# KiCad board OpenRX-all.kicad_pcb
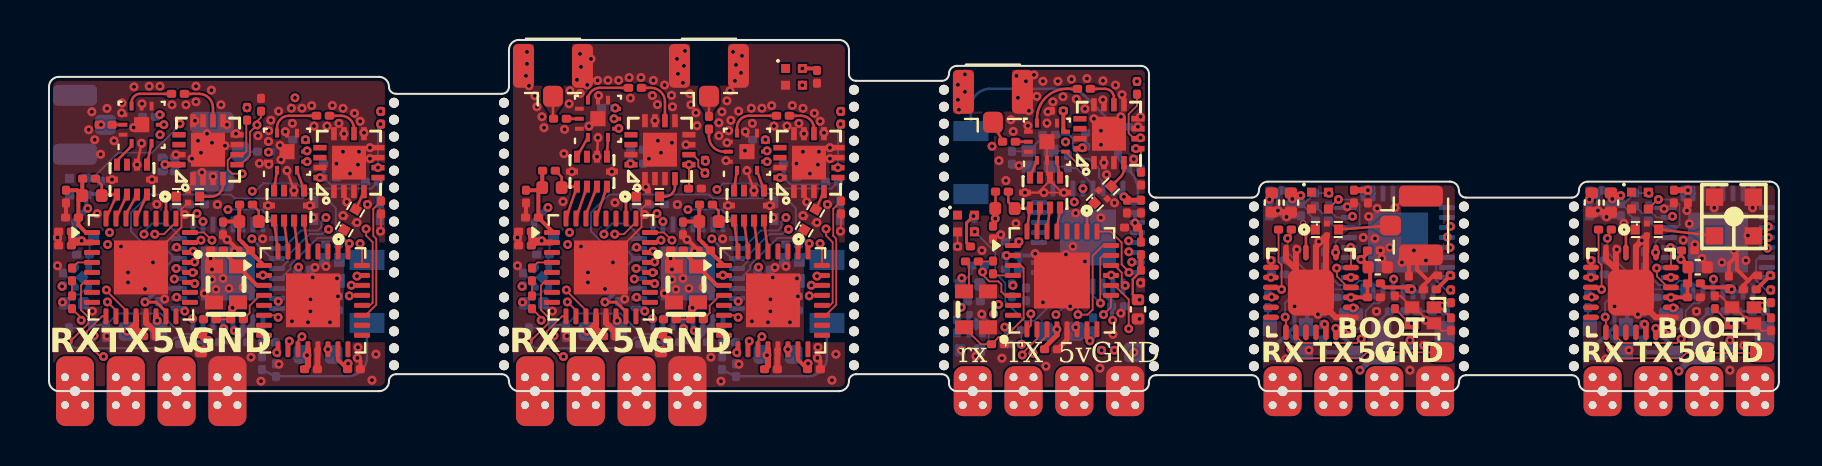
[diagram p0: board, top side]
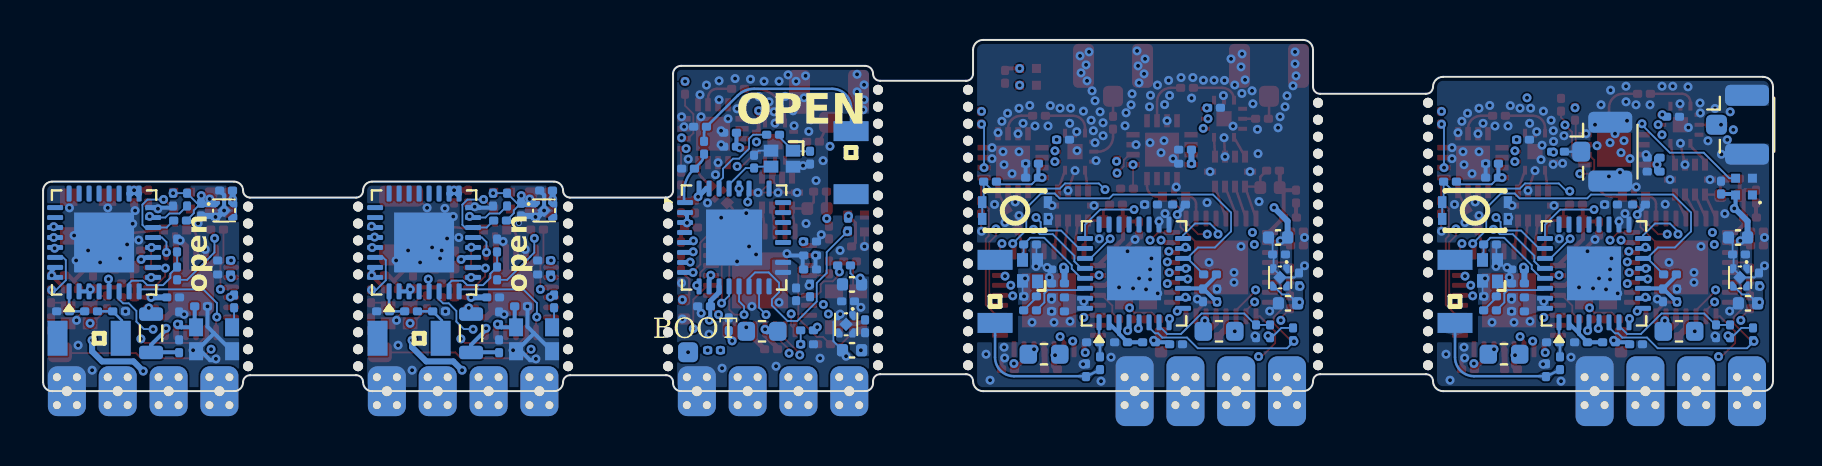
[diagram p1: board, bottom side, seen from below]

Outline 86.5 x 17.6 mm; copper layers: Top, In1.Cu, In2.Cu, In3.Cu, In4.Cu, Bottom. Coordinates in mm from the lower left corner of the outline.
Outline path: 0,15.25 arc(0.15,15.6) 0.5,15.75 16.5,15.75 arc(16.85,15.6) 17,15.25 arc(17.1,15) 17.35,14.9 22.65,14.9 arc(22.9,15) 23,15.25 23,17.1 arc(23.15,17.45) 23.5,17.6 39.5,17.6 arc(39.85,17.45) 40,17.1 40,15.9 arc(40.1,15.65) 40.35,15.55 44.65,15.55 arc(44.9,15.65) 45,15.9 arc(45.12,16.18) 45.4,16.3 54.6,16.3 arc(54.88,16.18) 55,15.9 55,10.05 arc(55.1,9.8) 55.35,9.7 60.15,9.7 arc(60.4,9.8) 60.5,10.05 arc(60.63,10.37) 60.95,10.5 70.05,10.5 arc(70.37,10.37) 70.5,10.05 arc(70.6,9.8) 70.85,9.7 76.15,9.7 arc(76.4,9.8) 76.5,10.05 arc(76.63,10.37) 76.95,10.5 86.05,10.5 arc(86.37,10.37) 86.5,10.05 86.5,0.45 arc(86.37,0.13) 86.05,0 76.95,0 arc(76.63,0.13) 76.5,0.45 arc(76.4,0.7) 76.15,0.8 70.85,0.8 arc(70.6,0.7) 70.5,0.45 arc(70.37,0.13) 70.05,0 60.95,0 arc(60.63,0.13) 60.5,0.45 arc(60.4,0.7) 60.15,0.8 55.35,0.8 arc(55.1,0.7) 55,0.45 55,0.4 arc(54.88,0.12) 54.6,0 45.4,0 arc(45.12,0.12) 45,0.4 45,0.5 arc(44.9,0.75) 44.65,0.85 40.35,0.85 arc(40.1,0.75) 40,0.5 arc(39.85,0.15) 39.5,0 23.5,0 arc(23.15,0.15) 23,0.5 arc(22.9,0.75) 22.65,0.85 17.35,0.85 arc(17.1,0.75) 17,0.5 arc(16.85,0.15) 16.5,0 0.5,0 arc(0.15,0.15) 0,0.5 0,15.25
Stack: Top 0.035mm / dielectric 0.1mm FR4 er 4.5 / In1.Cu 0.0152mm / dielectric 0.16mm FR4 er 4.5 / In2.Cu 0.0152mm / dielectric 0.3292mm FR4 er 4.5 / In3.Cu 0.0152mm / dielectric 0.16mm FR4 er 4.5 / In4.Cu 0.0152mm / dielectric 0.1mm FR4 er 4.5 / Bottom 0.035mm

## Placement (name value [footprint] x y rotation side)
AE1  2450AT18A100E  [ANT-SMD_L3.2-W1.6]  15.9 5 90 bottom
AE2  2450AT18A100E  [ANT-SMD_L3.2-W1.6]  38.9 5 90 bottom
AE3  2450AT18A100E  [ANT-SMD_L3.2-W1.6]  68.2 2.65 0 bottom
AE4  2450AT18A100E  [ANT-SMD_L3.2-W1.6]  84.2 2.65 0 bottom
AE5  47948-0001  [ANT-SMD_47948-0001]  84.25 8.75 0 top
AE6  2450AT18A100E  [ANT-SMD_L3.2-W1.6]  46.1 11.45 270 bottom
C1  15pF  [C_0201_0603Metric]  14.15 4.75 0 bottom
C2  47p  [C_0201_0603Metric]  0.85 9.75 270 top
C3  15pF  [C_0201_0603Metric]  14.15 7.35 180 bottom
C4  1uF  [C_0201_0603Metric]  12.75 4.7 0 bottom
C5  100nF  [C_0201_0603Metric]  5.5 4.8 270 bottom
C6  100nF  [C_0201_0603Metric]  6.7 9.35 180 bottom
C7  10pF  [C_0201_0603Metric]  1.15 4.45 270 top
C8  10uF  [C_0402_1005Metric]  1.25 4.4 0 bottom
C9  100nF  [C_0201_0603Metric]  6.85 2.35 180 bottom
C10  1uF  [C_0201_0603Metric]  0.7 5.6 90 bottom
C11  10uF  [C_0402_1005Metric]  7.6 2.45 270 top
C12  100nF  [C_0201_0603Metric]  2.6 10.2 90 bottom
C13  100nF  [C_0201_0603Metric]  8.4 7.05 0 top
C14  100nF  [C_0201_0603Metric]  0.8 8 180 top
C15  47pF  [C_0201_0603Metric]  0.8 7.3 180 top
C16  100nF  [C_0201_0603Metric]  4.8 4.8 90 bottom
C17  1uF  [C_0201_0603Metric]  1.7 6.85 0 bottom
C18  10uF  [C_0402_1005Metric]  1.75 7.7 0 bottom
C19  2.2nF  [C_0201_0603Metric]  1.15 8.7 180 top
C20  470nF  [C_0201_0603Metric]  5.05 2.75 180 top
C21  220pF  [C_0201_0603Metric]  5.97 11 0 bottom
C22  1n  [C_0201_0603Metric]  5 13.75 180 bottom
C23  47p  [C_0201_0603Metric]  6.45 14.9 180 top
C24  47p  [C_0201_0603Metric]  2.83 13.35 180 top
C25  1uF  [C_0201_0603Metric]  9.6 2.45 0 bottom
C26  10nF  [C_0201_0603Metric]  12.75 4 0 bottom
C27  1uF  [C_0201_0603Metric]  8.1 9.35 0 bottom
C28  1uF  [C_0201_0603Metric]  2.85 3 270 bottom
C29  1.2pF  [C_0201_0603Metric]  11 2.45 0 bottom
C30  1.2pF  [C_0201_0603Metric]  11.35 1.05 90 bottom
C31  1uF  [C_0201_0603Metric]  5.97 11.7 0 bottom
C32  15pF  [C_0201_0603Metric]  37.15 4.75 0 bottom
C33  2.2nF  [C_0201_0603Metric]  9.75 7.05 180 top
C34  10pF  [C_0201_0603Metric]  8.05 3.6 180 top
C35  100nF  [C_0201_0603Metric]  12.75 6.1 0 bottom
C36  47pF  [C_0201_0603Metric]  12.75 5.4 0 bottom
C37  100nF  [C_0201_0603Metric]  15.25 1.1 0 top
C38  470nF  [C_0201_0603Metric]  13.1 1.1 180 top
C39  47p  [C_0201_0603Metric]  8.7 8.15 270 top
C40  220pF  [C_0201_0603Metric]  14.05 10.7 0 bottom
C41  1uF  [C_0201_0603Metric]  14.05 11.4 0 bottom
C42  47p  [C_0201_0603Metric]  13.7 13.8 180 top
C43  1n  [C_0201_0603Metric]  12.5 12.6 180 bottom
C44  47p  [C_0201_0603Metric]  10.75 12 180 bottom
C45  47p  [C_0201_0603Metric]  23.85 9.75 270 top
C46  15pF  [C_0201_0603Metric]  37.15 7.35 180 bottom
C47  1uF  [C_0201_0603Metric]  35.75 4.7 0 bottom
C48  100nF  [C_0201_0603Metric]  28.5 4.8 270 bottom
C49  100nF  [C_0201_0603Metric]  29.7 9.35 180 bottom
C50  10pF  [C_0201_0603Metric]  24.15 4.45 270 top
C51  10uF  [C_0402_1005Metric]  24.25 4.4 0 bottom
C52  100nF  [C_0201_0603Metric]  29.85 2.35 180 bottom
C53  1uF  [C_0201_0603Metric]  23.7 5.6 90 bottom
C54  10uF  [C_0402_1005Metric]  30.6 2.45 270 top
C55  100nF  [C_0201_0603Metric]  38.4 15.75 270 top
C56  100nF  [C_0201_0603Metric]  31.4 7.05 0 top
C57  100nF  [C_0201_0603Metric]  23.8 8 180 top
C58  47pF  [C_0201_0603Metric]  23.8 7.3 180 top
C59  100nF  [C_0201_0603Metric]  27.8 4.8 90 bottom
C60  1uF  [C_0201_0603Metric]  24.7 6.85 0 bottom
C61  10uF  [C_0402_1005Metric]  24.75 7.7 0 bottom
C62  2.2nF  [C_0201_0603Metric]  24.15 8.7 180 top
C63  470nF  [C_0201_0603Metric]  28.05 2.75 180 top
C64  220pF  [C_0201_0603Metric]  29.4 11.4 0 bottom
C65  1n  [C_0201_0603Metric]  27.95 14.2 180 bottom
C66  47p  [C_0201_0603Metric]  29.3 15.2 180 top
C67  47p  [C_0201_0603Metric]  25.55 13.65 180 top
C68  1uF  [C_0201_0603Metric]  32.6 2.45 0 bottom
C69  10nF  [C_0201_0603Metric]  35.75 4 0 bottom
C70  1uF  [C_0201_0603Metric]  31.1 9.35 0 bottom
C71  1uF  [C_0201_0603Metric]  25.85 3 270 bottom
C72  1.2pF  [C_0201_0603Metric]  34 2.45 0 bottom
C73  1.2pF  [C_0201_0603Metric]  34.35 1.05 90 bottom
C74  1uF  [C_0201_0603Metric]  29.4 12.1 0 bottom
C75  2.2nF  [C_0201_0603Metric]  32.75 7.05 180 top
C76  10pF  [C_0201_0603Metric]  31.04 3.6 180 top
C77  100nF  [C_0201_0603Metric]  35.75 6.1 0 bottom
C78  47pF  [C_0201_0603Metric]  35.75 5.4 0 bottom
C79  100nF  [C_0201_0603Metric]  38.25 1.1 0 top
C80  470nF  [C_0201_0603Metric]  36.1 1.1 180 top
C81  47p  [C_0201_0603Metric]  31.7 8.15 270 top
C82  220pF  [C_0201_0603Metric]  37.05 10.7 0 bottom
C83  1uF  [C_0201_0603Metric]  37.05 11.4 0 bottom
C84  47p  [C_0201_0603Metric]  36.7 13.8 180 top
C85  1n  [C_0201_0603Metric]  35.5 12.6 180 bottom
C86  47p  [C_0201_0603Metric]  33 13.45 90 top
C87  15pF  [C_0201_0603Metric]  70.1 3.35 270 top
C88  15pF  [C_0201_0603Metric]  67.3 4.45 90 top
C89  1uF  [C_0201_0603Metric]  69.05 5.1 180 top
C90  100nF  [C_0201_0603Metric]  65.25 9.75 270 top
C91  100nF  [C_0201_0603Metric]  66.25 7.05 0 top
C92  10uF  [C_0402_1005Metric]  61.15 9.45 270 top
C93  100nF  [C_0201_0603Metric]  66.25 4.7 0 top
C94  1uF  [C_0201_0603Metric]  61.35 10.05 0 bottom
C95  10uF  [C_0402_1005Metric]  66.44 6.21 0 top
C96  100nF  [C_0201_0603Metric]  64 9.6 270 bottom
C97  100nF  [C_0201_0603Metric]  62.6 4.25 180 bottom
C98  100nF  [C_0201_0603Metric]  63.7 3.65 90 bottom
C99  1uF  [C_0201_0603Metric]  62.6 9.1 270 bottom
C100  10uF  [C_0402_1005Metric]  62.1 9.45 270 top
C101  100nF  [C_0201_0603Metric]  64 4.7 180 bottom
C102  1nF  [C_0201_0603Metric]  60.95 4.5 90 bottom
C103  470nF  [C_0201_0603Metric]  63.7 2.25 270 bottom
C104  1.2pF  [C_0201_0603Metric]  66.7 4 180 bottom
C105  1.2pF  [C_0201_0603Metric]  69.5 4 0 bottom
C106  1uF  [C_0201_0603Metric]  65.95 9.75 270 top
C107  10nF  [C_0201_0603Metric]  69.75 5.8 180 top
C108  1uF  [C_0201_0603Metric]  68 5.45 90 top
C109  10nF  [C_0201_0603Metric]  61.45 5.85 180 bottom
C110  10nF  [C_0201_0603Metric]  61.45 6.55 0 bottom
C111  1uF  [C_0201_0603Metric]  63.8 7.3 90 bottom
C112  15pF  [C_0201_0603Metric]  86.1 3.35 270 top
C113  15pF  [C_0201_0603Metric]  83.3 4.45 90 top
C114  1uF  [C_0201_0603Metric]  85.05 5.1 180 top
C115  100nF  [C_0201_0603Metric]  81.25 9.75 270 top
C116  100nF  [C_0201_0603Metric]  81.95 7.05 0 top
C117  10uF  [C_0402_1005Metric]  77.15 9.45 270 top
C118  100nF  [C_0201_0603Metric]  82.25 4.7 0 top
C119  1uF  [C_0201_0603Metric]  77.35 10.05 0 bottom
C120  10uF  [C_0402_1005Metric]  82.44 6.21 0 top
C121  100nF  [C_0201_0603Metric]  80 9.6 270 bottom
C122  100nF  [C_0201_0603Metric]  78.6 4.25 180 bottom
C123  100nF  [C_0201_0603Metric]  79.7 3.65 90 bottom
C124  1uF  [C_0201_0603Metric]  78.6 9.1 270 bottom
C125  10uF  [C_0402_1005Metric]  78.1 9.45 270 top
C126  100nF  [C_0201_0603Metric]  80 4.7 180 bottom
C127  1nF  [C_0201_0603Metric]  76.95 4.5 90 bottom
C128  470nF  [C_0201_0603Metric]  79.7 2.25 270 bottom
C129  1.2pF  [C_0201_0603Metric]  82.7 4 180 bottom
C130  1.2pF  [C_0201_0603Metric]  85.5 4 0 bottom
C131  1uF  [C_0201_0603Metric]  81.95 9.75 270 top
C132  10nF  [C_0201_0603Metric]  85.75 5.8 180 top
C133  1uF  [C_0201_0603Metric]  84 5.45 90 top
C134  10nF  [C_0201_0603Metric]  77.45 5.85 180 bottom
C135  10nF  [C_0201_0603Metric]  77.45 6.55 0 bottom
C136  1uF  [C_0201_0603Metric]  79.8 7.3 90 bottom
C137  15pF  [C_0201_0603Metric]  48.15 11.7 270 bottom
C138  47p  [C_0201_0603Metric]  47.2 7.95 270 top
C139  15pF  [C_0201_0603Metric]  50.95 11.5 90 bottom
C140  1uF  [C_0201_0603Metric]  54.6 9.25 270 top
C141  100nF  [C_0201_0603Metric]  53.45 4.25 0 bottom
C142  100nF  [C_0201_0603Metric]  48.85 4.85 270 bottom
C143  10pF  [C_0201_0603Metric]  46.15 6.5 180 top
C144  10uF  [C_0402_1005Metric]  46.05 2.05 0 bottom
C145  100nF  [C_0201_0603Metric]  54.6 5.75 270 top
C146  1uF  [C_0201_0603Metric]  45.4 3.25 90 bottom
C147  10uF  [C_0402_1005Metric]  54.45 4.1 270 top
C148  100nF  [C_0201_0603Metric]  45.75 7.25 180 top
C149  100nF  [C_0201_0603Metric]  47.45 2.35 180 top
C150  100nF  [C_0201_0603Metric]  48.15 6.1 0 bottom
C151  47pF  [C_0201_0603Metric]  48.15 6.8 0 bottom
C152  100nF  [C_0201_0603Metric]  52.21 3.35 90 bottom
C153  1uF  [C_0201_0603Metric]  46.25 4.5 0 bottom
C154  10uF  [C_0402_1005Metric]  46.05 5.35 0 bottom
C155  2.2nF  [C_0201_0603Metric]  48.15 7.5 180 bottom
C156  470nF  [C_0201_0603Metric]  50.1 2.1 180 top
C157  220pF  [C_0201_0603Metric]  52.15 12.25 0 bottom
C158  1n  [C_0201_0603Metric]  50.4 14.05 180 top
C159  47p  [C_0201_0603Metric]  51.75 15.15 180 top
C160  47p  [C_0201_0603Metric]  48 12.5 180 top
C161  1uF  [C_0201_0603Metric]  54.1 8.2 180 top
C162  10nF  [C_0201_0603Metric]  53.9 9.25 270 top
C163  1uF  [C_0201_0603Metric]  48.15 5.05 270 bottom
C164  1uF  [C_0201_0603Metric]  48.3 2.35 180 bottom
C165  1.2pF  [C_0201_0603Metric]  54.25 11.15 0 bottom
C166  1.2pF  [C_0201_0603Metric]  53.65 13.25 0 bottom
C167  1uF  [C_0201_0603Metric]  52.15 12.95 0 bottom
D1  XL-1010RGBC-WS2812B  [LED-SMD_4P-L1.0-W1.0-TL_XL-1010RGBC-WS2812B]  1.45 10.25 0 bottom
D2  XL-1010RGBC-WS2812B  [LED-SMD_4P-L1.0-W1.0-TL_XL-1010RGBC-WS2812B]  37.25 15.75 0 top
D3  XL-1010RGBC-WS2812B  [LED-SMD_4P-L1.0-W1.0-TL_XL-1010RGBC-WS2812B]  63.55 9.55 0 top
D4  XL-1010RGBC-WS2812B  [LED-SMD_4P-L1.0-W1.0-TL_XL-1010RGBC-WS2812B]  79.55 9.55 0 top
D5  XL-1010RGBC-WS2812B  [LED-SMD_4P-L1.0-W1.0-TL_XL-1010RGBC-WS2812B]  45.85 8.4 0 top
FL1  2450FM07D0034T  [FILTER-SMD_4P-L1.0-W0.5-L]  6.95 9.75 0 top
FL2  2450FM07D0034T  [FILTER-SMD_4P-L1.0-W0.5-L]  15.05 8.6 60 top
FL3  2450FM07D0034T  [FILTER-SMD_4P-L1.0-W0.5-L]  29.95 9.75 0 top
FL4  2450FM07D0034T  [FILTER-SMD_4P-L1.0-W0.5-L]  38.05 8.6 60 top
FL5  2450FM07D0034T  [FILTER-SMD_4P-L1.0-W0.5-L]  63.9 8.1 0 top
FL6  2450FM07D0034T  [FILTER-SMD_4P-L1.0-W0.5-L]  79.9 8.1 0 top
FL7  2450FM07D0034T  [FILTER-SMD_4P-L1.0-W0.5-L]  52.7 9.85 45 top
J1  Conn_Coaxial_Small  [U.FL_Hirose_U.FL-R-SMT-1_Vertical]  1.3 13.35 180 bottom
J2  Conn_Coaxial_Small  [U.FL_Hirose_U.FL-R-SMT-1_Vertical#2]  8.14 12 180 bottom
J3  Conn_Coaxial_Small  [U.FL_Hirose_U.FL-R-SMT-1_Vertical]  25.2 16.3 90 top
J4  Conn_Coaxial_Small  [U.FL_Hirose_U.FL-R-SMT-1_Vertical]  33 16.3 90 top
J5  Conn_Coaxial  [U.FL_Hirose_U.FL-R-SMT-1_Vertical]  68.6 8.3 0 top
J6  Conn_Coaxial_Small  [U.FL_Hirose_U.FL-R-SMT-1_Vertical]  47.2 15 90 top
L1  10uH  [L_0603_1608Metric]  4.7 3 180 bottom
L2  24nH  [L_0201_0603Metric]  14.15 4.05 180 bottom
L3  2.0nH  [L_0201_0603Metric]  8.2 2.45 180 bottom
L4  2.5nH  [L_0201_0603Metric]  10.65 1.4 90 bottom
L5  47nH  [L_0402_1005Metric]  2.15 9.8 0 top
L6  10uH  [L_0603_1608Metric]  13.45 1.85 180 bottom
L7  47nH  [L_0402_1005Metric]  10 8.5 0 top
L8  10uH  [L_0603_1608Metric]  27.7 3 180 bottom
L9  24nH  [L_0201_0603Metric]  37.15 4.05 180 bottom
L10  2.0nH  [L_0201_0603Metric]  31.2 2.45 180 bottom
L11  2.5nH  [L_0201_0603Metric]  33.65 1.4 90 bottom
L12  47nH  [L_0402_1005Metric]  25.15 10.2 0 top
L13  10uH  [L_0603_1608Metric]  36.45 1.85 180 bottom
L14  47nH  [L_0402_1005Metric]  33 8.5 0 top
L15  24nH  [L_0201_0603Metric]  70.1 4.75 90 top
L16  2.5nH  [L_0201_0603Metric]  68.1 4 0 bottom
L17  2.0nH  [L_0201_0603Metric]  66.25 5.4 180 top
L18  15uH  [L_0805_2012Metric]  65.1 2.9 90 bottom
L19  24nH  [L_0201_0603Metric]  86.1 4.75 90 top
L20  2.5nH  [L_0201_0603Metric]  84.1 4 0 bottom
L21  2.0nH  [L_0201_0603Metric]  82.25 5.4 180 top
L22  15uH  [L_0805_2012Metric]  81.1 2.9 90 bottom
L23  10uH  [L_0603_1608Metric]  50.55 3 180 bottom
L24  24nH  [L_0201_0603Metric]  50 12.85 0 bottom
L25  2.0nH  [L_0201_0603Metric]  54.6 7.15 270 top
L26  2.5nH  [L_0201_0603Metric]  53.45 12.2 270 bottom
L27  47nH  [L_0402_1005Metric]  47.8 9.15 0 top
OSC1  OW7EL89CENUYO3YLC-32M  [OSC-SMD_4P-L2.0-W1.6-BL_TXC_7Z]  8.85 5.35 270 top
OSC2  OW7EL89CENUYO3YLC-32M  [OSC-SMD_4P-L2.0-W1.6-BL_TXC_7Z]  31.85 5.35 270 top
OSC3  OW7EL89CENUNFAYLC-52M  [OSC-SMD_4P-L2.0-W1.6-BL_TXC_7Z]  61.95 2.6 180 bottom
OSC4  OW7EL89CENUNFAYLC-52M  [OSC-SMD_4P-L2.0-W1.6-BL_TXC_7Z]  77.95 2.6 180 bottom
OSC5  OW7EL89CENUYO3YLC-32M  [OSC-SMD_4P-L2.0-W1.6-BL_TXC_7Z]  46.35 4.1 90 top
R1  200  [R_0201_0603Metric]  2 10.65 0 top
R2  10k  [R_0201_0603Metric]  1 2.85 270 bottom
R3  10k  [R_0201_0603Metric]  5.15 5.85 0 bottom
R4  10k  [R_0201_0603Metric]  16.15 10.5 0 bottom
R5  10k  [R_0201_0603Metric]  2.15 3 270 bottom
R6  220  [R_0201_0603Metric]  1.15 5.85 90 top
R7  100k  [R_0201_0603Metric]  10.6 14.35 270 top
R8  100k  [R_0201_0603Metric]  9.9 13.9 270 top
R9  220  [R_0201_0603Metric]  9.4 3.6 0 top
R10  200  [R_0201_0603Metric]  9.85 9.35 0 top
R11  100k  [R_0201_0603Metric]  16.6 9.2 90 top
R12  100k  [R_0201_0603Metric]  16.6 13.7 270 top
R13  200  [R_0201_0603Metric]  25 11.05 0 top
R14  10k  [R_0201_0603Metric]  24 2.85 270 bottom
R15  10k  [R_0201_0603Metric]  28.15 5.85 0 bottom
R16  10k  [R_0201_0603Metric]  39.15 10.5 0 bottom
R17  10k  [R_0201_0603Metric]  25.15 3 270 bottom
R18  220  [R_0201_0603Metric]  24.15 5.85 90 top
R19  100k  [R_0201_0603Metric]  32.3 10.15 180 top
R20  100k  [R_0201_0603Metric]  32.8 11.25 270 top
R21  220  [R_0201_0603Metric]  32.4 3.6 0 top
R22  200  [R_0201_0603Metric]  32.85 9.35 0 top
R23  100k  [R_0201_0603Metric]  39.6 9.2 90 top
R24  100k  [R_0201_0603Metric]  39.6 13.7 270 top
R25  10k  [R_0201_0603Metric]  61.8 8.1 180 top
R26  10k  [R_0201_0603Metric]  63.65 8.55 0 bottom
R27  10k  [R_0201_0603Metric]  63.3 9.6 270 bottom
R28  10k  [R_0201_0603Metric]  63.8 5.9 270 bottom
R29  10k  [R_0201_0603Metric]  77.8 8.1 180 top
R30  10k  [R_0201_0603Metric]  79.65 8.55 0 bottom
R31  10k  [R_0201_0603Metric]  79.3 9.6 270 bottom
R32  10k  [R_0201_0603Metric]  79.8 5.9 270 bottom
R33  200  [R_0201_0603Metric]  47.65 10 0 top
R34  10k  [R_0201_0603Metric]  46.45 6.3 0 bottom
R35  10k  [R_0201_0603Metric]  46.25 8.35 270 bottom
R36  10k  [R_0201_0603Metric]  52.95 2.05 0 bottom
R37  10k  [R_0201_0603Metric]  48.3 3.05 180 bottom
R38  220  [R_0201_0603Metric]  47.2 6.2 270 top
R39  100k  [R_0201_0603Metric]  54.6 10.65 90 top
R40  100k  [R_0201_0603Metric]  54.4 15.2 270 top
REF**  -  [BreakLine_11h_D0.5mm_P0.85mm]  40.25 5.55 90 top  (not fitted)
REF**#2  -  [BreakLine_5h_D0.5mm_P0.85mm]  70.75 2.95 90 top  (not fitted)
REF**#3  -  [BreakLine_5h_D0.5mm_P0.85mm]  55.25 7.55 90 top  (not fitted)
REF**#4  -  [BreakLine_5h_D0.5mm_P0.85mm]  44.75 13.4 90 top  (not fitted)
REF**#5  -  [BreakLine_11h_D0.5mm_P0.85mm]  22.75 10.2 90 top  (not fitted)
REF**#6  -  [BreakLine_5h_D0.5mm_P0.85mm]  76.25 7.55 90 top  (not fitted)
REF**#7  -  [BreakLine_5h_D0.5mm_P0.85mm]  40.25 13.4 90 top  (not fitted)
REF**#8  -  [BreakLine_5h_D0.5mm_P0.85mm]  76.25 2.95 90 top  (not fitted)
REF**#9  -  [BreakLine_1h_D0.5mm_P0.85mm]  44.75 10.75 90 top  (not fitted)
REF**#10  -  [BreakLine_5h_D0.5mm_P0.85mm]  60.25 2.95 90 top  (not fitted)
REF**#11  -  [BreakLine_5h_D0.5mm_P0.85mm]  70.75 7.55 90 top  (not fitted)
REF**#12  -  [BreakLine_5h_D0.5mm_P0.85mm]  17.25 3 90 top  (not fitted)
REF**#13  -  [BreakLine_5h_D0.5mm_P0.85mm]  22.75 3 90 top  (not fitted)
REF**#14  -  [BreakLine_11h_D0.5mm_P0.85mm]  17.25 10.2 90 top  (not fitted)
REF**#15  -  [BreakLine_5h_D0.5mm_P0.85mm]  55.25 2.95 90 top  (not fitted)
REF**#16  -  [BreakLine_1h_D0.5mm_P0.85mm]  40.25 10.75 90 top  (not fitted)
REF**#17  -  [BreakLine_5h_D0.5mm_P0.85mm]  60.25 7.55 90 top  (not fitted)
REF**#18  -  [BreakLine_11h_D0.5mm_P0.85mm]  44.75 5.55 90 top  (not fitted)
T1  0900PC16J0042001E  [FILTER-SMD_10P-L2.0-W1.6-BL]  4.15 10.6 0 top
T2  0900PC16J0042001E  [FILTER-SMD_10P-L2.0-W1.6-BL]  12 9.3 0 top
T3  0900PC16J0042001E  [FILTER-SMD_10P-L2.0-W1.6-BL]  27.15 11 0 top
T4  0900PC16J0042001E  [FILTER-SMD_10P-L2.0-W1.6-BL]  35 9.3 0 top
T5  0900PC16J0042001E  [FILTER-SMD_10P-L2.0-W1.6-BL]  49.8 9.95 0 top
TP1  RX  [SolderPad_1.2x2.0mm]  1.3 0 0 top
TP2  TX  [SolderPad_1.2x2.0mm]  3.84 0 0 top
TP3  5V  [SolderPad_1.2x2.0mm]  6.38 0 0 top
TP4  GND  [SolderPad_1.2x2.0mm]  8.92 0 0 top
TP5  RX  [SolderPad_1.2x2.0mm]  24.3 0 0 top
TP6  TX  [SolderPad_1.2x2.0mm]  26.84 0 0 top
TP7  5V  [SolderPad_1.2x2.0mm]  29.38 0 0 top
TP8  GND  [SolderPad_1.2x2.0mm]  31.92 0 0 top
TP9  RX  [SolderPad_1.2x2.0mm#3]  61.68 0 0 top
TP10  TX  [SolderPad_1.2x2.0mm#3]  64.22 0 0 top
TP11  5V  [SolderPad_1.2x2.0mm#3]  66.77 0 0 top
TP12  GND  [SolderPad_1.2x2.0mm#3]  69.31 0 0 top
TP13  BOOT  [SolderPad_1.2x2.0mm#2]  69.66 1.95 0 top
TP14  RX  [SolderPad_1.2x2.0mm#3]  77.68 0 0 top
TP15  TX  [SolderPad_1.2x2.0mm#3]  80.22 0 0 top
TP16  5V  [SolderPad_1.2x2.0mm#3]  82.77 0 0 top
TP17  GND  [SolderPad_1.2x2.0mm#3]  85.31 0 0 top
TP18  BOOT  [SolderPad_1.2x2.0mm#2]  85.66 1.95 0 top
TP19  RX  [SolderPad_1.2x2.0mm#3]  46.19 0 0 top
TP20  TX  [SolderPad_1.2x2.0mm#3]  48.73 0 0 top
TP21  5V  [SolderPad_1.2x2.0mm#3]  51.27 0 0 top
TP22  GND  [SolderPad_1.2x2.0mm#3]  53.81 0 0 top
TP23  BOOT  [SolderPad_1.2x2.0mm#4]  54.25 1.95 180 bottom
U1  ESP32-C3  [QFN-32-1EP_5x5mm_P0.5mm_EP3.7x3.7mm]  8.95 5.9 90 bottom
U2  TLV75533PDQNR  [X2SON-4_L1.0-W1.0-P0.65-TL-EP]  1.65 5.7 270 bottom
U3  LR1121IMLTRT  [QFN-32-1EP_5x5mm_P0.5mm_EP3.7x3.7mm]  4.6 6.2 0 top
U4  RFX2401C  [QFN-16_L3.0-W3.0-P0.50-BL-EP1.7]  7.95 12.1 0 top
U5  SKY13373-460LF  [QFN-12_EP_2x2_Pitch0.5mm]  4.63 13.35 90 top
U6  LR1121IMLTRT  [QFN-32-1EP_5x5mm_P0.5mm_EP3.7x3.7mm]  13.2 4.55 0 top
U7  RFX2401C  [QFN-16_L3.0-W3.0-P0.50-BL-EP1.7]  15 11.45 0 top
U8  SKY13373-460LF  [QFN-12_EP_2x2_Pitch0.5mm]  11.9 12 90 top
U9  TS2306A 240GF MSM 9_C2976675  [SW-SMD_4P-L3.0-W2.0-P0.85-LS3.5]  14.9 9.05 180 bottom
U10  ESP32-C3  [QFN-32-1EP_5x5mm_P0.5mm_EP3.7x3.7mm]  31.95 5.9 90 bottom
U11  TLV75533PDQNR  [X2SON-4_L1.0-W1.0-P0.65-TL-EP]  24.65 5.7 270 bottom
U12  LR1121IMLTRT  [QFN-32-1EP_5x5mm_P0.5mm_EP3.7x3.7mm]  27.6 6.2 0 top
U13  RFX2401C  [QFN-16_L3.0-W3.0-P0.50-BL-EP1.7]  30.55 12.1 0 top
U14  SKY13373-460LF  [QFN-12_EP_2x2_Pitch0.5mm]  27.45 13.65 90 top
U15  LR1121IMLTRT  [QFN-32-1EP_5x5mm_P0.5mm_EP3.7x3.7mm]  36.2 4.55 0 top
U16  RFX2401C  [QFN-16_L3.0-W3.0-P0.50-BL-EP1.7]  38 11.45 0 top
U17  SKY13373-460LF  [QFN-12_EP_2x2_Pitch0.5mm]  34.9 12 90 top
U18  TS2306A 240GF MSM 9_C2976675  [SW-SMD_4P-L3.0-W2.0-P0.85-LS3.5]  37.9 9.05 180 bottom
U19  ESP32-C3  [QFN-32-1EP_5x5mm_P0.5mm_EP3.7x3.7mm#4]  67.45 7.45 90 bottom
U20  TLV75533PDQNR  [X2SON-4_L1.0-W1.0-P0.65-TL-EP]  61.45 9.05 180 bottom
U21  SX1281IMLTRT  [QFN-24_L4.0-W4.0-P0.50-TL-EP2.6]  63.1 4.95 0 top
U22  ESP32-C3  [QFN-32-1EP_5x5mm_P0.5mm_EP3.7x3.7mm#4]  83.45 7.45 90 bottom
U23  TLV75533PDQNR  [X2SON-4_L1.0-W1.0-P0.65-TL-EP]  77.45 9.05 180 bottom
U24  SX1281IMLTRT  [QFN-24_L4.0-W4.0-P0.50-TL-EP2.6]  79.1 4.95 0 top
U25  ESP32-C3  [QFN-32-1EP_5x5mm_P0.5mm_EP3.7x3.7mm#3]  51.95 7.7 180 bottom
U26  TLV75533PDQNR  [X2SON-4_L1.0-W1.0-P0.65-TL-EP]  46.35 3.35 270 bottom
U27  LR1121IMLTRT  [QFN-32-1EP_5x5mm_P0.5mm_EP3.7x3.7mm#2]  50.65 5.55 0 top
U28  RFX2401C  [QFN-16_L3.0-W3.0-P0.50-BL-EP1.7]  53 12.9 0 top
U29  SKY13373-460LF  [QFN-12_EP_2x2_Pitch0.5mm]  49.9 12.5 90 top
X1  CJ17-400001010B20  [CRYSTAL-SMD_4P-L1.6-W1.2-BL#2]  14.15 6.05 90 bottom
X2  CJ17-400001010B20  [CRYSTAL-SMD_4P-L1.6-W1.2-BL#2]  37.15 6.05 90 bottom
X3  CJ17-400001010B20  [CRYSTAL-SMD_4P-L1.6-W1.2-BL]  68.7 3.8 180 top
X4  CJ17-400001010B20  [CRYSTAL-SMD_4P-L1.6-W1.2-BL]  84.7 3.8 180 top
X5  CJ17-400001010B20  [CRYSTAL-SMD_4P-L1.6-W1.2-BL]  49.55 11.65 0 bottom

## Library data of the parts
AE1-AE4 AE6 = -: Datasheet: https://lcsc.com/product-detail/RF-Antenna_JOHANSON_2450AT18A100E_2450AT18A100E_C89334.html; LCSC Part: C89334; LCSC: C89334
AE5 = -: Datasheet: https://lcsc.com/product-detail/RF-Antenna_MOLEX_47948-0001_47948-0001_C152351.html; LCSC Part: C152351
C1 C3 C32 C46 C87 C88 C112 C113 C137 C139 = -: Description: Unpolarized capacitor; LCSC: C85891; LCSC Part: C85891; ki_fp_filters: C_*
C2 C23 C24 C39 C42 C44 C45 C66 C67 C81 C84 C86 C138 C159 C160 = -: Description: Unpolarized capacitor; LCSC: C85908; ki_fp_filters: C_*
C4 C10 C17 C25 C27 C28 C31 C41 C47 C53 C60 C68 C70 C71 C74 C83 C89 C94 C99 C106 C108 C111 C114 C119 C124 C131 C133 C136 C140 C146 C153 C161 C163 C164 C167 = -: Description: Unpolarized capacitor; LCSC: C76935; LCSC Part: C76935; ki_fp_filters: C_*
C5 C6 C9 C12-C14 C16 C35 C37 C48 C49 C52 C55-C57 C59 C77 C79 C90 C91 C93 C96-C98 C101 C115 C116 C118 C121-C123 C126 C141 C142 C145 C148-C150 C152 = -: Description: Unpolarized capacitor; LCSC: C76939; LCSC Part: C76939; ki_fp_filters: C_*
C7 C34 C50 C76 C143 = -: Description: Unpolarized capacitor; LCSC: C384956; LCSC Part: C384956; ki_fp_filters: C_*
C8 C18 C51 C61 C92 C100 C117 C125 C144 C154 = -: Description: Unpolarized capacitor; LCSC: C15525; LCSC Part: C15525; ki_fp_filters: C_*
C11 C54 C95 C120 C147 = -: Description: Unpolarized capacitor; LCSC: C76991; ki_fp_filters: C_*
C15 C36 C58 C78 C151 = -: Description: Unpolarized capacitor; LCSC: C85908; LCSC Part: C85908; ki_fp_filters: C_*
C19 C33 C62 C75 C155 = -: Description: Unpolarized capacitor; LCSC: C161488; ki_fp_filters: C_*
C20 C38 C63 C80 C103 C128 C156 = -: Description: Unpolarized capacitor; LCSC: C85926; LCSC Part: C85926; ki_fp_filters: C_*
C21 C40 C64 C82 C157 = -: Description: Unpolarized capacitor; LCSC: C907939; ki_fp_filters: C_*
C22 C43 C65 C85 C158 = -: Description: Unpolarized capacitor; LCSC: C85934; ki_fp_filters: C_*
C26 C69 C107 C109 C110 C132 C134 C135 C162 = -: Description: Unpolarized capacitor; LCSC: C2168164; LCSC Part: C2168164; ki_fp_filters: C_*
C29 C30 C72 C73 C104 C105 C129 C130 C165 C166 = -: Description: Unpolarized capacitor; LCSC: C85895; ki_fp_filters: C_*
C102 C127 = -: Description: Unpolarized capacitor; LCSC: C66942; LCSC Part: C66942; ki_fp_filters: C_*
D1-D5 = -: LCSC Part: C5349953
FL1-FL7 = -: Datasheet: https://www.lcsc.com/datasheet/C2651081.pdf; LCSC Part: C2651081; Manufacturer: JOHANSON(约翰逊); LCSC Part_1: C2651081
J1-J4 J6 = -: Description: small coaxial connector (BNC, SMA, SMB, SMC, Cinch/RCA, LEMO, ...); LCSC: C88374; ki_fp_filters: *BNC* *SMA* *SMB* *SMC* *Cinch* *LEMO* *UMRF* *MCX* *U.FL*
J5 = -: Description: coaxial connector (BNC, SMA, SMB, SMC, Cinch/RCA, LEMO, ...); ki_fp_filters: *BNC* *SMA* *SMB* *SMC* *Cinch* *LEMO* *UMRF* *MCX* *U.FL*
L1 L6 L8 L13 L23 = -: Description: Inductor; LCSC: C194437; ki_fp_filters: Choke_* *Coil* Inductor_* L_*
L2 L9 L15 L19 L24 = -: Description: Inductor; LCSC: C206441; LCSC Part: C206441; ki_fp_filters: Choke_* *Coil* Inductor_* L_*
L3 L10 L17 L21 L25 = -: Description: Inductor; LCSC: C86125; ki_fp_filters: Choke_* *Coil* Inductor_* L_*
L4 L11 L16 L20 L26 = -: Description: Inductor; LCSC: C206435; ki_fp_filters: Choke_* *Coil* Inductor_* L_*
L5 L7 L12 L14 L27 = -: Description: Inductor; LCSC: C192855; ki_fp_filters: Choke_* *Coil* Inductor_* L_*
L18 L22 = -: Description: Inductor; ki_fp_filters: Choke_* *Coil* Inductor_* L_*
OSC1 OSC2 OSC5 = -: LCSC Part: C22381772
OSC3 OSC4 = -: LCSC Part: C22434896; LCSC: C22434896
R1 R10 R13 R22 R33 = -: Description: Resistor; LCSC: C274337; ki_fp_filters: R_*
R2-R5 R14-R17 R25-R32 R34-R37 = -: Description: Resistor; LCSC: C106225; LCSC Part: C106225; ki_fp_filters: R_*
R6 R9 R18 R21 R38 = -: Description: Resistor; LCSC: C2074788; LCSC Part: C2074788; ki_fp_filters: R_*
R7 R8 R11 R12 R19 R20 R23 R24 R39 R40 = -: Description: Resistor; LCSC: C106224; ki_fp_filters: R_*
T1-T5 = -: LCSC Part: C19842466
TP1-TP23 = -: Description: test point; ki_fp_filters: Pin* Test*
U1 U10 U19 U22 U25 = -: Datasheet: https://www.espressif.com/sites/default/files/documentation/esp32-c3_datasheet_en.pdf; Description: RF Module, ESP32 SoC, RISC-V, WiFi 802.11b/n/g, Bluetooth LE 5, QFN32; ki_fp_filters: QFN*1EP*5x5mm*P0.5mm*EP3.7x3.7mm*
U2 U11 U20 U23 U26 = -: LCSC Part: C2861882; LCSC: C2861882
U3 U6 U12 U15 U27 = -: LCSC Part: C7498014
U4 U7 U13 U16 U28 = -: Datasheet: https://lcsc.com/product-detail/RF-Transceiver-ICs_SKYWORKS_RFX2401C_RFX2401C_C19213.html; LCSC Part: C19213
U9 U18 = -: LCSC Part: C2976675
U21 U24 = -: LCSC Part: C2151551; LCSC: C2151551
X1-X5 = -: LCSC Part: C2875272; LCSC: C2875272
